# Altium PCB HIL_RIG_REV_1_2.PcbDoc (part 13 of 14) (continued)
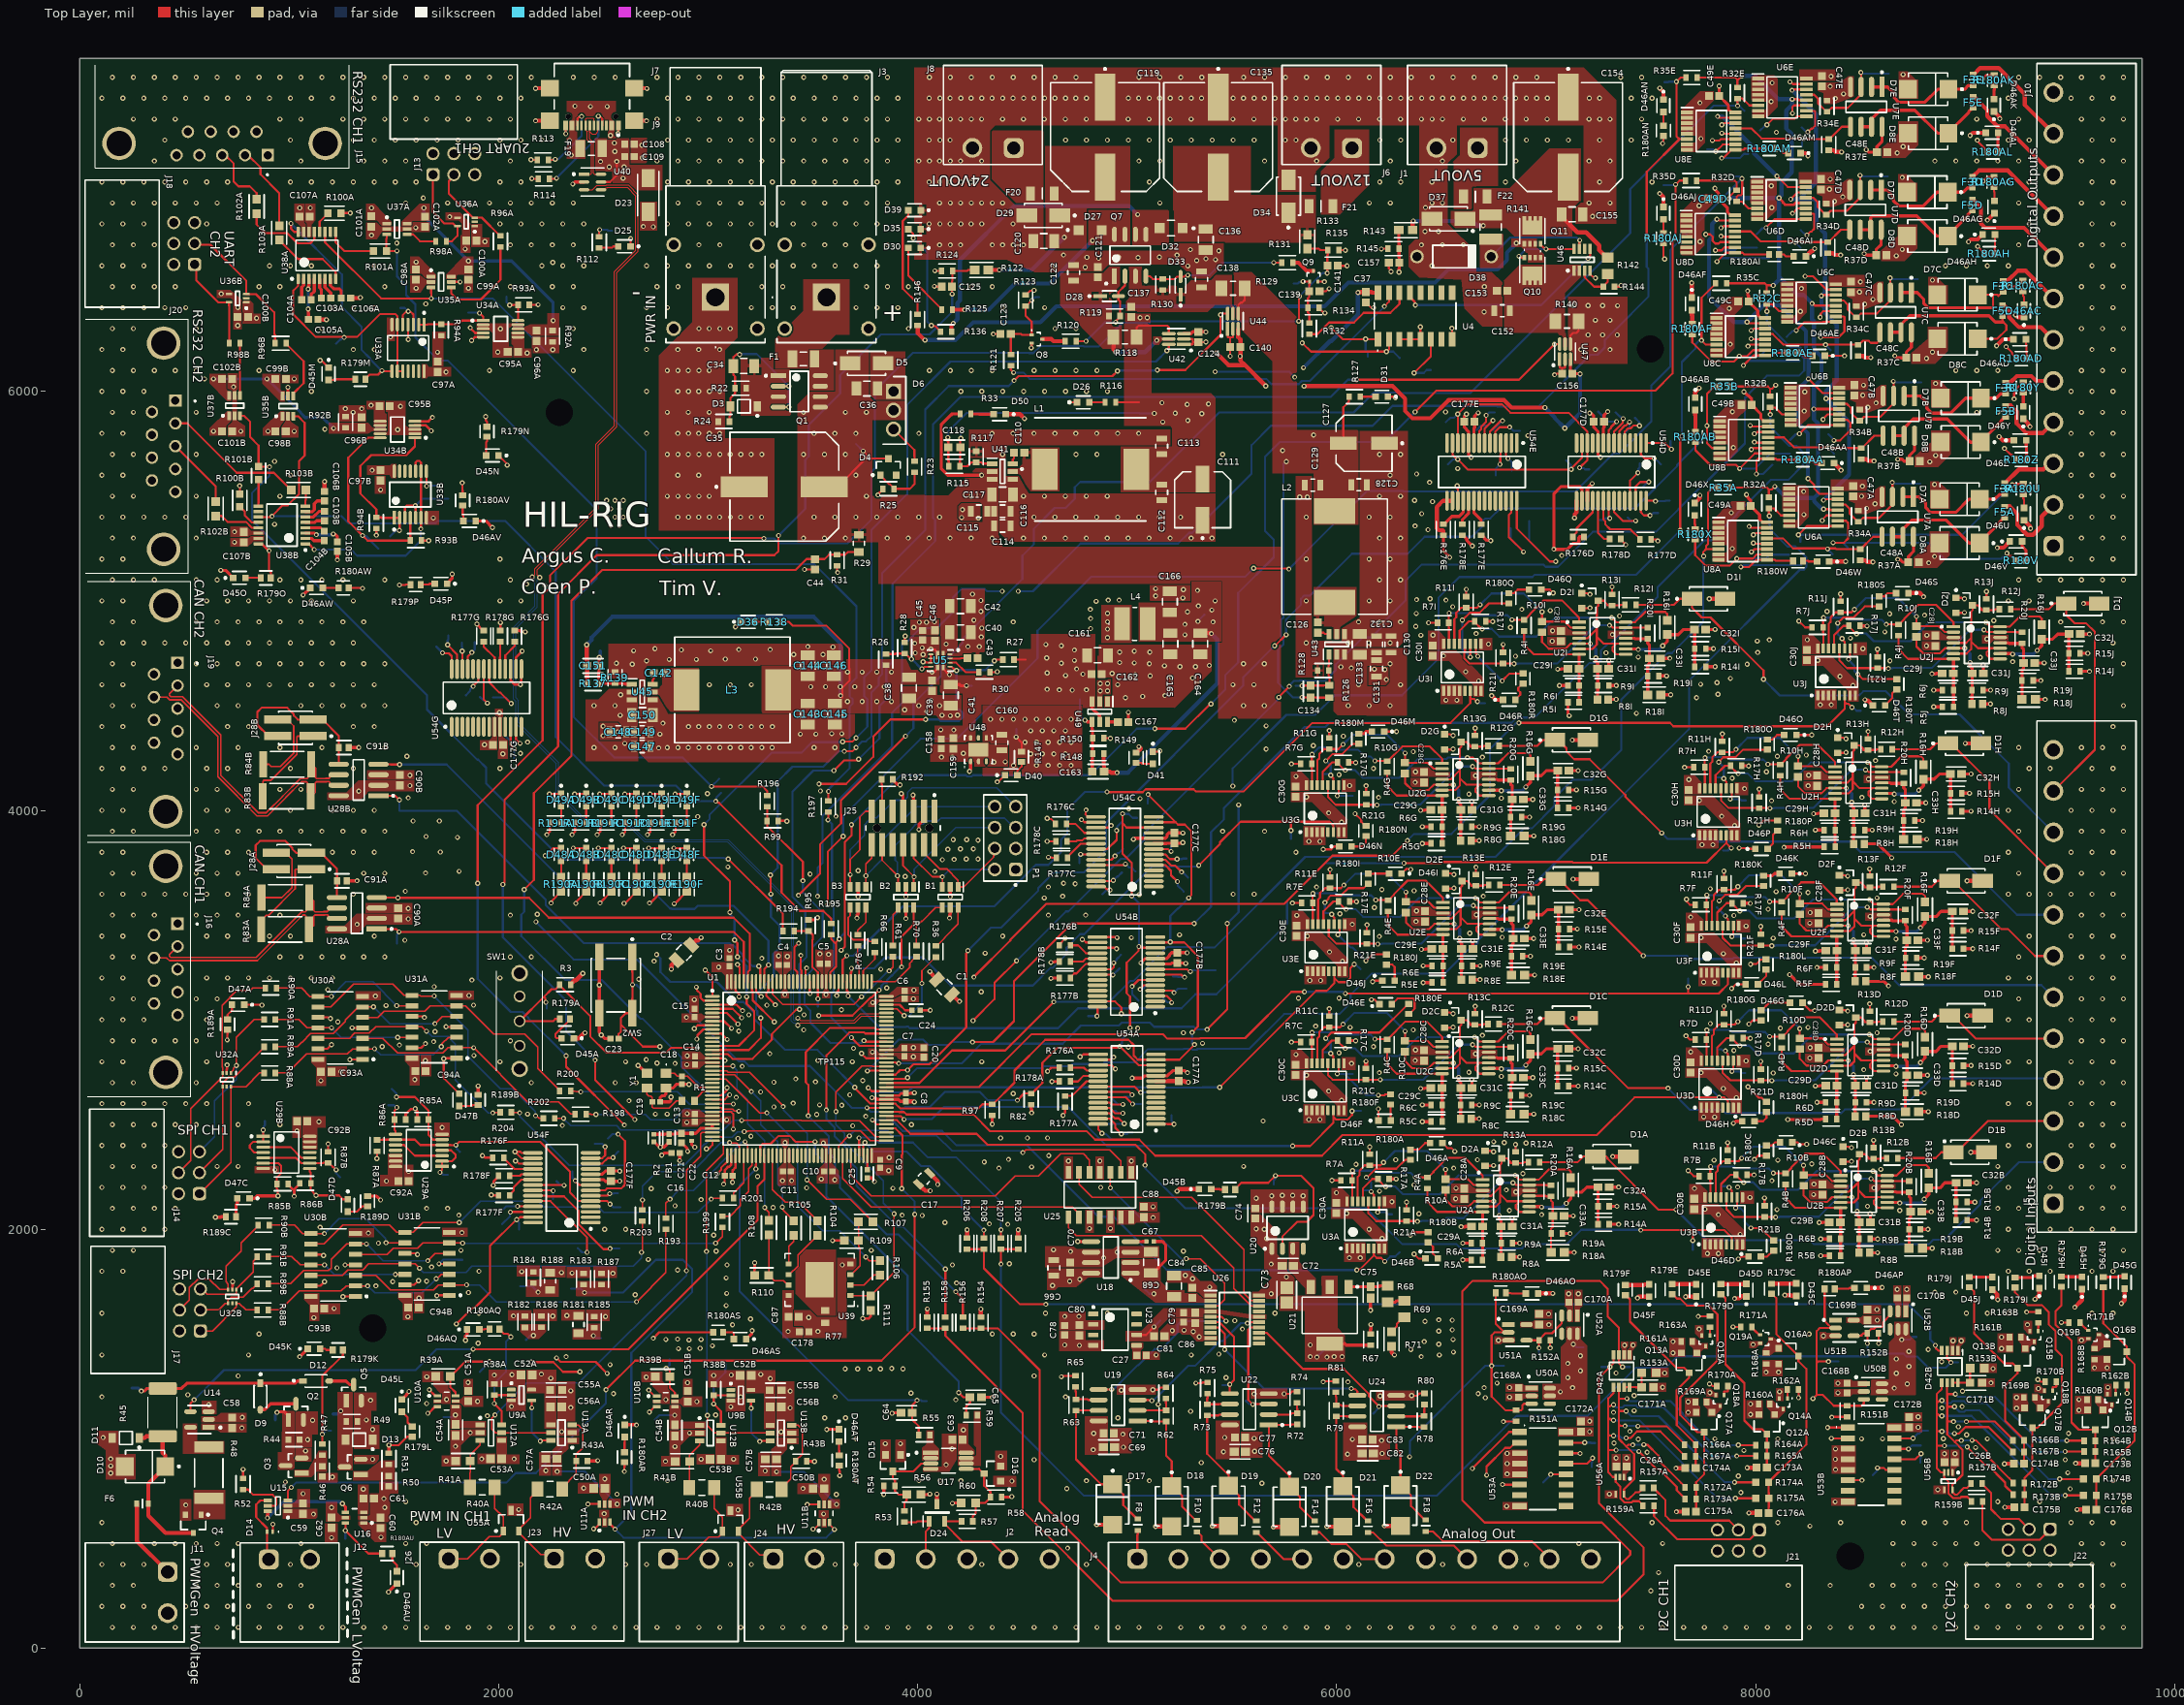
[diagram p0: Top Layer view]
## Polygon pours and split planes (outlines as drawn) (continued)
GND on Top Layer "GND_L01_P2287" (solid, pour order 3911): 8793.89,4805.79 8879.89,4805.79 8879.89,4763.79 8793.89,4763.79
5V on Top Layer "5V_L01_P2277" (solid, pour order 3901): 8795.89,4813.79 8981.89,4813.79 8981.89,4833.79 8909.89,4833.79 8885.89,4857.79 8795.89,4857.79
3V3 on Top Layer "3V3_L01_P2267" (solid, pour order 3891): 8465.89,4801.79 8529.89,4801.79 8529.89,4741.79 8465.89,4741.79
GND on Top Layer "GND_L01_P2257" (solid, pour order 3881): 8387,4485.79 8333,4485.79 8283.89,4485.79 8283.89,4578 8387,4578
3V3 on Top Layer "3V3_L01_P2237" (solid, pour order 3861): 8223.89,4745.79 8307.89,4745.79 8307.89,4801.79 8273.89,4835.79 8223.89,4835.79
GND on Top Layer "GND_L01_P2297" (solid, pour order 3919): 6764.89,4183.79 6764.89,4161.79 6694.89,4161.79 6678.89,4145.79 6640.89,4145.79 6640.89,4183.79
GND on Top Layer "GND_L01_P2287" (solid, pour order 3909): 6352.89,4153.79 6438.89,4153.79 6438.89,4111.79 6352.89,4111.79
5V on Top Layer "5V_L01_P2277" (solid, pour order 3899): 6354.89,4161.79 6540.89,4161.79 6540.89,4181.79 6468.89,4181.79 6444.89,4205.79 6354.89,4205.79
3V3 on Top Layer "3V3_L01_P2267" (solid, pour order 3889): 6024.89,4149.79 6088.89,4149.79 6088.89,4089.79 6024.89,4089.79
GND on Top Layer "GND_L01_P2257" (solid, pour order 3879): 5946,3833.79 5892,3833.79 5842.89,3833.79 5842.89,3926 5946,3926
3V3 on Top Layer "3V3_L01_P2237" (solid, pour order 3859): 5782.89,4093.79 5866.89,4093.79 5866.89,4149.79 5832.89,4183.79 5782.89,4183.79
GND on Top Layer "GND_L01_P2297" (solid, pour order 3918): 6768.89,3519.79 6768.89,3497.79 6698.89,3497.79 6682.89,3481.79 6644.89,3481.79 6644.89,3519.79
GND on Top Layer "GND_L01_P2287" (solid, pour order 3908): 6356.89,3489.79 6442.89,3489.79 6442.89,3447.79 6356.89,3447.79
5V on Top Layer "5V_L01_P2277" (solid, pour order 3898): 6358.89,3497.79 6544.89,3497.79 6544.89,3517.79 6472.89,3517.79 6448.89,3541.79 6358.89,3541.79
3V3 on Top Layer "3V3_L01_P2267" (solid, pour order 3888): 6028.89,3485.79 6092.89,3485.79 6092.89,3425.79 6028.89,3425.79
GND on Top Layer "GND_L01_P2257" (solid, pour order 3878): 5950,3169.79 5896,3169.79 5846.89,3169.79 5846.89,3262 5950,3262
GND on Top Layer "GND_L01_P2247" (solid, pour order 3866): 5922.14,3423.86 6056,3290 6054,3288 6054,3204 6000,3204 6000,3262 5886,3376 5786,3376 5786,3423.86
3V3 on Top Layer "3V3_L01_P2237" (solid, pour order 3858): 5786.89,3429.79 5870.89,3429.79 5870.89,3485.79 5836.89,3519.79 5786.89,3519.79
GND on Top Layer "GND_L01_P2297" (solid, pour order 3917): 8648.89,2867.79 8648.89,2845.79 8578.89,2845.79 8562.89,2829.79 8524.89,2829.79 8524.89,2867.79
GND on Top Layer "GND_L01_P2287" (solid, pour order 3907): 8236.89,2837.79 8322.89,2837.79 8322.89,2795.79 8236.89,2795.79
5V on Top Layer "5V_L01_P2277" (solid, pour order 3897): 8238.89,2845.79 8424.89,2845.79 8424.89,2865.79 8352.89,2865.79 8328.89,2889.79 8238.89,2889.79
3V3 on Top Layer "3V3_L01_P2267" (solid, pour order 3887): 7908.89,2833.79 7972.89,2833.79 7972.89,2773.79 7908.89,2773.79
GND on Top Layer "GND_L01_P2257" (solid, pour order 3877): 7830,2517.79 7776,2517.79 7726.89,2517.79 7726.89,2610 7830,2610
GND on Top Layer "GND_L01_P2247" (solid, pour order 3865): 7802.14,2771.86 7936,2638 7934,2636 7934,2552 7880,2552 7880,2610 7766,2724 7666,2724 7666,2771.86
3V3 on Top Layer "3V3_L01_P2237" (solid, pour order 3857): 7666.89,2777.79 7750.89,2777.79 7750.89,2833.79 7716.89,2867.79 7666.89,2867.79
GND on Top Layer "GND_L01_P2297" (solid, pour order 3916): 6764.89,2855.79 6764.89,2833.79 6694.89,2833.79 6678.89,2817.79 6640.89,2817.79 6640.89,2855.79
GND on Top Layer "GND_L01_P2287" (solid, pour order 3906): 6352.89,2825.79 6438.89,2825.79 6438.89,2783.79 6352.89,2783.79
5V on Top Layer "5V_L01_P2277" (solid, pour order 3896): 6354.89,2833.79 6540.89,2833.79 6540.89,2853.79 6468.89,2853.79 6444.89,2877.79 6354.89,2877.79
3V3 on Top Layer "3V3_L01_P2267" (solid, pour order 3886): 6024.89,2821.79 6088.89,2821.79 6088.89,2761.79 6024.89,2761.79
GND on Top Layer "GND_L01_P2257" (solid, pour order 3876): 5946,2505.79 5892,2505.79 5842.89,2505.79 5842.89,2598 5946,2598
3V3 on Top Layer "3V3_L01_P2237" (solid, pour order 3856): 5782.89,2765.79 5866.89,2765.79 5866.89,2821.79 5832.89,2855.79 5782.89,2855.79
GND on Top Layer "GND_L01_P2297" (solid, pour order 3915): 8666.89,2215.79 8666.89,2193.79 8596.89,2193.79 8580.89,2177.79 8542.89,2177.79 8542.89,2215.79
GND on Top Layer "GND_L01_P2287" (solid, pour order 3905): 8254.89,2185.79 8340.89,2185.79 8340.89,2143.79 8254.89,2143.79
5V on Top Layer "5V_L01_P2277" (solid, pour order 3895): 8256.89,2193.79 8442.89,2193.79 8442.89,2213.79 8370.89,2213.79 8346.89,2237.79 8256.89,2237.79
3V3 on Top Layer "3V3_L01_P2267" (solid, pour order 3885): 7926.89,2181.79 7990.89,2181.79 7990.89,2121.79 7926.89,2121.79
GND on Top Layer "GND_L01_P2257" (solid, pour order 3875): 7848,1865.79 7794,1865.79 7744.89,1865.79 7744.89,1958 7848,1958
3V3 on Top Layer "3V3_L01_P2237" (solid, pour order 3855): 7684.89,2125.79 7768.89,2125.79 7768.89,2181.79 7734.89,2215.79 7684.89,2215.79
3V3 on Top Layer "3V3_L01_P2237" (solid, pour order 3854): 5975.89,2105.79 6059.89,2105.79 6059.89,2161.79 6025.89,2195.79 5975.89,2195.79
GND on Top Layer "GND_L01_P2247" (solid, pour order 3864): 6111.14,2099.86 6245,1966 6243,1964 6243,1880 6189,1880 6189,1938 6075,2052 5975,2052 5975,2099.86
GND on Top Layer "GND_L01_P2257" (solid, pour order 3874): 6139,1845.79 6085,1845.79 6035.89,1845.79 6035.89,1938 6139,1938
3V3 on Top Layer "3V3_L01_P2267" (solid, pour order 3884): 6217.89,2161.79 6281.89,2161.79 6281.89,2101.79 6217.89,2101.79
5V on Top Layer "5V_L01_P2277" (solid, pour order 3894): 6547.89,2173.79 6733.89,2173.79 6733.89,2193.79 6661.89,2193.79 6637.89,2217.79 6547.89,2217.79
GND on Top Layer "GND_L01_P2287" (solid, pour order 3904): 6545.89,2165.79 6631.89,2165.79 6631.89,2123.79 6545.89,2123.79
GND on Top Layer "GND_L01_P2297" (solid, pour order 3914): 6957.89,2195.79 6957.89,2173.79 6887.89,2173.79 6871.89,2157.79 6833.89,2157.79 6833.89,2195.79
3V3 on Top Layer "3V3_L01_P1257" (solid, pour order 3930): 1105.33,2795.67 1129.33,2771.67 1129.33,2686 1175.33,2686 1175.33,2825.67 1105.33,2825.67
GND on Top Layer "GND_L01_P1258" (solid, pour order 3931): 1178.08,2777.67 1276.08,2777.67 1276.08,2727.67 1178.08,2727.67
3V3 on Top Layer "3V3_L01_P1259" (solid, pour order 3932): 1552,2802 1576,2778 1576,2688 1622,2688 1622,2832 1552,2832
GND on Top Layer "GND_L01_P1260" (solid, pour order 3933): 1627,2731.93 1627,2829.93 1677,2829.93 1677,2731.93
GND on Top Layer "GND_L01_P1261" (solid, pour order 3934): 1317.33,3135.67 1317.33,3093.67 1437.33,3093.67 1437.33,3135.67
GND on Top Layer "GND_L01_P1262" (solid, pour order 3935): 1760,3138 1760,3096 1880,3096 1880,3138
GND on Top Layer "GND_L01_P1263" (solid, pour order 3936): 1766,2442 1766,2508 1694,2508 1694,2442
3V3 on Top Layer "3V3_L01_P1267" (solid, pour order 4006): 1472,2258 1434,2258 1434,2206 1542,2206 1542,2362 1472,2362
GND on Top Layer "GND_L01_P1265" (solid, pour order 4083): 1592.24,2208 1548,2208 1548,2308 1592.24,2308
3V3 on Top Layer "3V3_L01_P2377" (solid, pour order 3991): 1372.15,4192 1596.15,4192 1596.15,4148 1372.15,4148
GND on Top Layer "GND_L01_P2379" (solid, pour order 3993): 1182.15,4084 1272.15,4084 1330.15,4142 1596.15,4142 1596.15,4092 1380.15,4092 1333.88,4045.73 1329.61,4050 1182.15,4050
GND on Top Layer "GND_L01_P1132" (solid, pour order 3835): 1504,6242 1466,6242 1466,6352 1504,6352
GND on Top Layer "GND_L01_P1122" (solid, pour order 3825): 2048.5,6213 2048.5,6301 2062.5,6311 2122.5,6311 2122.5,6325 1894.5,6325 1894.5,6291 1957.5,6291 1970.5,6278 1970.5,6163 2070.5,6163 2070.5,6213
5V on Top Layer "5V_L01_P1120" (solid, pour order 3823): 2122.5,6204 2156.5,6204 2156.5,6163 2070.5,6163 2070.5,6218 2060.5,6228 2060.5,6285.44 2122.5,6285.44
TTL_VCCBA on Top Layer "TTL_VCCBA_L01_P1124" (solid, pour order 3827): 2232,6319 2232,6372 2288,6372 2288,6370 2288,6266.06 2157.02,6266.06 2124.13,6291 2068.44,6291 2068.44,6307.01 2120.22,6307.01 2150.5,6319
GND on Top Layer "GND_L01_P1126" (solid, pour order 3829): 2158.5,6263 2158.96,6262.54 2158.96,6183.23 2288.27,6183.23 2288.5,6183 2288.5,6263
3V3 on Top Layer "3V3_L01_P1128" (solid, pour order 3831): 1632.5,6131 1632.5,6063 1656.5,6063 1664.5,6071 1772.5,6071 1772.5,6115 1666.5,6115 1656.5,6131
GND on Top Layer "GND_L01_P1130" (solid, pour order 3833): 1684.5,6205 1684.5,6286 1748,6286 1748,6250 1734.5,6250 1734.5,6121 1684.5,6121
3V3 on Top Layer "3V3_L01_P1133" (solid, pour order 3836): 1078.22,6736 1078.22,6798.28 1070.5,6806 1070.5,6896 1026,6896 1026,6815.5 1055.5,6786 1055.5,6736
GND on Top Layer "GND_L01_P1134" (solid, pour order 3837): 1084.72,6736 1105.5,6736 1105.5,6796 1125.5,6816 1125.5,6896 1076,6896 1076,6810.09 1084.91,6801.18
GND on Top Layer "GND_L01_P1135" (solid, pour order 3838): 1417.5,6726 1367.5,6726 1367.5,6806 1417.5,6806 1437.5,6786 1583.78,6786 1583.78,6808 1670,6808 1670,6761 1587.35,6761 1582.27,6766.08 1542.54,6766.08 1540.8,6764.34 1444.34,6764.34 1441,6761
3V3 on Top Layer "3V3_L01_P1136" (solid, pour order 3839): 1407.5,6896 1487.5,6811 1487.5,6791 1442.5,6791 1417.5,6816 1368,6816 1368,6896
TTL_VCCBA on Top Layer "TTL_VCCBA_L01_P1137" (solid, pour order 3840): 1622.5,6896 1537.5,6811 1537.5,6791 1587.5,6791 1587.5,6804.37 1594.13,6811 1594.23,6810.91 1670,6810.91 1670,6896
5V on Top Layer "5V_L01_P1138" (solid, pour order 3841): 1919.5,6798.21 1869.8,6798.21 1869.8,6690 1954.5,6690 1954.5,6735 1919.5,6735
GND on Top Layer "GND_L01_P1139" (solid, pour order 3842): 1808.5,6816 1824.5,6800 1824.5,6745 1819.5,6745 1819.5,6662 1864,6662 1864,6801.82 1816.17,6854 1746,6854 1746,6816
GND on Top Layer "GND_L01_P1140" (solid, pour order 3843): 1699.14,6532.66 1699.14,6511 1653.86,6511 1650.53,6507.66 1627.02,6472.66 1577.02,6472.66 1577.02,6552.66 1627.02,6552.66 1653.86,6532.66
TTL_VCCBA on Top Layer "TTL_VCCBA_L01_P1141" (solid, pour order 3844): 1833.41,6643.32 1748.41,6558.32 1748.41,6538.32 1798.41,6538.32 1798.41,6551.69 1805.05,6558.32 1805.14,6558.23 1878.12,6558.23 1878.12,6643.32
GND on Top Layer "GND_L01_P1142" (solid, pour order 3845): 1875.53,6472.66 1875.53,6552.66 1835.53,6552.66 1835.53,6472.66
3V3 on Top Layer "3V3_L01_P1143" (solid, pour order 3846): 1620.53,6642.66 1700.53,6557.66 1700.53,6537.66 1655.53,6537.66 1630.53,6562.66 1578,6562.66 1578,6642.66
5V on Top Layer "5V_L01_P1108" (solid, pour order 3811): 814.01,6433.21 829,6418.23 829,6370 864,6370 864,6325 778,6325 778,6433.21
GND on Top Layer "GND_L01_P1109" (solid, pour order 3812): 789,5835 789,5785 709,5785 709,5835 729,5855 729,6005 706,6011.44 706,6085 754,6085 754,6011.73 748,6004 748.92,5960.04 750.66,5958.3 750.66,5861.84 754,5858.5
3V3 on Top Layer "3V3_L01_P1110" (solid, pour order 3813): 619,5825 704,5905 724,5905 724,5860 699,5835 699,5790 619,5790
TTL_VCCBB on Top Layer "TTL_VCCBB_L01_P1111" (solid, pour order 3814): 619,6040 704,5955 724,5955 724,6005 710.63,6005 704,6011.63 704.09,6011.73 704.09,6084.7 619,6084.7
GND on Top Layer "GND_L01_P1112" (solid, pour order 3815): 984,5903.61 1005.66,5903.61 1005.66,5858.34 1009,5855 1044,5831.5 1044,5781.5 964,5781.5 964,5831.5 984,5858.34
TTL_VCCBB on Top Layer "TTL_VCCBB_L01_P1113" (solid, pour order 3816): 873.34,6037.89 958.34,5952.89 978.34,5952.89 978.34,6002.89 964.97,6002.89 958.34,6009.52 958.43,6009.62 958.43,6082.59 873.34,6082.59
GND on Top Layer "GND_L01_P1114" (solid, pour order 3817): 1044,6080 964,6080 964,6040 1044,6040
3V3 on Top Layer "3V3_L01_P1115" (solid, pour order 3818): 874,5825 959,5905 979,5905 979,5860 954,5828 954,5790 874,5790
GND on Top Layer "GND_L01_P1116" (solid, pour order 3819): 718.71,6448 734,6435 734,6380 734,6296 772,6296 772,6438 718.67,6484 656,6484 656,6448
3V3 on Top Layer "3V3_L01_P1117" (solid, pour order 3820): 879,5307.72 816.72,5307.72 806.18,5300.03 719,5300.03 719,5260 804,5260 829,5285 879,5285
GND on Top Layer "GND_L01_P1118" (solid, pour order 3821): 879,5314 879,5335 819,5335 799,5355 719,5355 719,5304 802.71,5304 812,5314
5V on Top Layer "5V_L01_P1119" (solid, pour order 3822): 1404,5914 1370,5914 1370,5954 1456,5954 1456,5899 1464,5891 1464,5826 1404,5826
GND on Top Layer "GND_L01_P1121" (solid, pour order 3824): 1472,5904 1472,5806 1404,5806 1404,5792 1632,5792 1632,5826 1569,5826 1556,5839 1556,5954 1456,5954 1456,5904
TTL_VCCBB on Top Layer "TTL_VCCBB_L01_P1123" (solid, pour order 3826): 1398,5826 1464,5826 1464,5809.94 1398,5809.94 1376,5798 1190,5798 1190,5850.94 1377.11,5850.94
GND on Top Layer "GND_L01_P1125" (solid, pour order 3828): 1368,5854 1367.54,5854.46 1367.54,5933.77 1238.23,5933.77 1238,5934 1238,5854
3V3 on Top Layer "3V3_L01_P1127" (solid, pour order 3830): 1512,5586 1512,5654 1488,5654 1480,5646 1372,5646 1372,5602 1478,5602 1488,5586
GND on Top Layer "GND_L01_P1129" (solid, pour order 3832): 1460,5596 1460,5512 1410,5512 1410,5596
GND on Top Layer "GND_L01_P1131" (solid, pour order 3834): 1644,5430 1714,5430 1714,5364 1644,5364
5V_OUT_shunted on Top Layer "NONET_L01_P2839" (solid, pour order 4111): 7054,6280 7074,6260 7074,6212 7106,6212 7108,6210 7108,6278 7092,6278 7086,6284
12V_OUT_Shunted on Top Layer "12V_OUT_SHUNTED_L01_P2838" (solid, pour order 4110): 5512,6352 5512,6420 5500,6432 5496,6432 5496,6352
GND on Top Layer "GND_L01_P2840" (solid, pour order 4112): 4990,6376 4990,6330 5114,6330 5112,6332 5112,6378 4994,6378 4992,6376
GND on Top Layer "GND_L01_P2842" (solid, pour order 4114): 5110,5078 5298,5078 5308,5068 5308,5000 5112,5000 5108,5004 5108,5082
GND on Top Layer "GND_L01_P2843" (solid, pour order 4115): 4191.6,5467.78 4191.6,5380.66 4297.34,5380.66 4298.34,5379.66 4298.34,5468.29 4191.35,5468.29 4190.84,5467.78
GND on Top Layer "GND_L01_P2844" (solid, pour order 4116): 2476,4424 2476,4332 2588,4332 2588,4420 2480,4420
GND on Top Layer "GND_L01_P2841" (solid, pour order 4113): 6148,4690 6148,4592 6236,4592 6254,4610 6254,4690
VIN on Top Layer "VIN_L01_P2831" (solid, pour order 4104): 4005,5505 4006,5504 4146,5504 4225,5583 4225,5472 4206,5472 4188,5454 4188,5394 4206,5376 4310,5376 4310,5278 4005,5278
VIN on Top Layer "VIN_L01_P2832" (solid, pour order 4105): 6144,4592 6236,4592 6254,4610 6254,4690 6334,4690 6334,4452 6144,4452
VIN on Top Layer "VIN_L01_P2833" (solid, pour order 4106): 2476,4530 2416,4530 2416,4234 2664,4234 2665,4233 2665,4275 2590,4275 2590,4330 2478,4330 2476,4332
VREF_LV_5V on Top Layer "VREF_LV_5V_L01_P2390" (solid, pour order 4004): 2104,1512 2139.53,1476.47 2165,1476.47 2191,1476.47 2226,1511.47 2226,1546.47 2104,1546.47
VREF_LV_3V3 on Top Layer "VREF_LV_3V3_L01_P2391" (solid, pour order 4005): 2418,1549.21 2418,1526 2352,1526 2352,1474 2484,1474 2484,1549.21
3V3 on Top Layer "3V3_L01_P1070" (solid, pour order 3774): 2134,1329 2134,1219 2219,1219 2219,1049 2274,1049 2274,1124 2274,1329
GND on Top Layer "GND_L01_P1072" (solid, pour order 3776): 2384,1014 2384,1049 2364,1049 2364,1274 2274,1274 2274,1014
GND on Top Layer "GND_L01_P1074" (solid, pour order 3778): 1769,1044 1769,919 1729,919 1729,869 1819,869 1819,969 1864,1014 1939,1014 1939,1044
3V3 on Top Layer "3V3_L01_P1076" (solid, pour order 3780): 1989,1009 2039,1009 2039,924 2099,924 2099,879 1989,879
GND on Top Layer "GND_L01_P1078" (solid, pour order 3782): 1984,929 1899,929 1899,879 1984,879
3V3 on Top Layer "3V3_L01_P1080" (solid, pour order 3784): 1776.16,1189 1819,1189 1834,1204 1924,1204 1924,1154 1834,1154 1819,1169 1776.16,1169
GND on Top Layer "GND_L01_P1082" (solid, pour order 3786): 1735,1278 1735,1322 1635,1322 1635,1272 1688,1272 1688,1252.1 1731.1,1209 1731.1,1190 1727,1188 1689,1188 1689,1170 1727,1170 1731.1,1168 1768.96,1168 1768.96,1244.04
GND on Top Layer "GND_L01_P1084" (solid, pour order 3788): 1833,1286 1877,1286 1877,1206 1833.98,1206
3V3 on Top Layer "NONET_L01_P314" (solid, pour order 3790): 2479.52,738.52 2497.52,708.52 2497.52,668.52 2515.52,668.52 2515.52,708.52 2533.52,736.52 2519.52,724.52 2533.52,736.52 2533.52,832.52 2479.52,832.52 2479.52,738.52 2493.52,724.52
VREF_HVA on Top Layer "VREF_HVB_L01_P1088" (solid, pour order 3792): 2383,1006 2383,976 2332,976 2332,953 2301,922 2301,824 2255,824 2255,944 2277,966 2277,1006
VREF_HVA on Top Layer "VREF_HVB_L01_P1090" (solid, pour order 3794): 2523.52,712.52 2523.52,668.52 2581.52,668.52 2581.52,712.52
GND on Top Layer "GND_L01_P1092" (solid, pour order 3796): 1953,1248 1953,1328 2129,1328 2129,1132 2037,1132 2037,1194 2085,1194 2085,1248
GND on Top Layer "GND_L01_P1094" (solid, pour order 3798): 2494.8,578.52 2494.8,625.62 2481.52,625.62 2481.52,660.52 2526.52,660.52 2526.52,625.62 2518.24,625.62 2518.24,578.52
GND on Top Layer "GND_L01_P1096" (solid, pour order 3800): 2040,690 2117,690 2117,632 2040,632
GND on Top Layer "GND_L01_P1098" (solid, pour order 3802): 2477.52,789.68 2477.52,738.52 2379.52,738.52 2379.52,790
GND on Top Layer "GND_L01_P1100" (solid, pour order 3804): 1833,1286 1877,1286 1877,1206 1833.98,1206
VREF_HVA on Top Layer "VREF_HVB_L01_P1102" (solid, pour order 3806): 2523.52,712.52 2523.52,668.52 2581.52,668.52 2581.52,712.52
VREF_LVA on Top Layer "VREF_LVB_L01_P1104" (solid, pour order 3808): 1821,1161.84 1821,1084 1939,1084 1939,1048 1769,1048 1769,1161.84
GND on Top Layer "GND_L01_P1106" (solid, pour order 3810): 2193,936 2251,936 2251,824 2193,824
GND on Top Layer "GND_L01_P000" (solid, pour order 3704): 4340.47,4315 4340.47,4322 4240.47,4322 4240.47,4315 4060,4315 4060,4232 4270.47,4232 4270.47,4210 4430.47,4210 4430.47,4255.09 4430.47,4315
5V on Top Layer "5V_L01_P002" (solid, pour order 3706): 4275.97,4330 4274.45,4330 4230.97,4330 4230.97,4325 4080.97,4325 4080.97,4405 4275.97,4405
3V3_SW on Top Layer "3V3_SW_L01_P004" (solid, pour order 3708): 4881.48,4555.4 4921.48,4555.4 4921.48,4625.4 4856.48,4625.4 4856.48,4490.4 4881.48,4490.4
3V3_SW on Top Layer "3V3_SW_L01_P006" (solid, pour order 3709): 5021.48,4980.4 4876.48,4980.4 4876.48,4800.4 5021.48,4800.4
GND on Top Layer "GND_L01_P012" (solid, pour order 3711): 5403.69,4666.19 5227.9,4490.4 5223.69,4491.19 4886.48,4491.19 4886.48,4549.6 4888.67,4551.79 4924.29,4551.79 4924.29,4630.4 4858.69,4630.4 4858.69,4736.19 4866.48,4736.19 4866.48,4790.4 5403.69,4790.4
GND on Top Layer "GND_L01_P014" (solid, pour order 3713): 4420,5733 4430,5743 5205,5743 5205,5818 4245,5818 4245,5683 4390,5683 4390,5328 4435,5283 5420,5283 5420,5513 4530,5513 4515,5538 4480,5598 4420,5598
24V_SW on Top Layer "24V_SW_L01_P015" (solid, pour order 3714): 4480,5633 4500,5653 4500,5733 4675,5733 4675,5523 4540,5523 4525,5543 4485,5603 4425,5603 4425,5633
VIN on Top Layer "VIN_L01_P017" (solid, pour order 3716): 4385,5633 4275,5633 4225,5583 4225,5472 4296,5472 4310,5458 4310,5278 4385,5278
V_TERMINAL on Top Layer "V_TERMINAL_L01_P018" (solid, pour order 3717): 3480,6110 3320,6110 3320,6250 3455,6385 3455,6535 3675,6535 3675,6270 3610,6270 3545,6205 3480,6205
VIN_RAW on Top Layer "VIN_RAW_L01_P019" (solid, pour order 3718): 3485,6200 3485,6005 3600,6005 3600,6200
GND on Top Layer "GND_L01_P021" (solid, pour order 3720): 3940,5960 3940,6190 3770,6190 3770,5986 3796,5960
VIN_Polarity_Source on Top Layer "VIN_POLARITY_SOURCE_L01_P022" (solid, pour order 3721): 3390,6105 3310,6105 3310,6160 3155,6160 3155,5885 3395,5885
GND on Top Layer "GND_L01_P023" (solid, pour order 3722): 2925,6331.64 2765,6171.64 2765,5336.64 3315,5336.64 3315,5776.64 3080,5776.64 3080,6196.64 3140,6256.64 3140,6541.64 2925,6541.64
VBUS on Top Layer "VBUS_L01_P025" (solid, pour order 3724): 4078.22,4717.5 3964,4717.5 3964,4830.25 4104.33,4830.25 4104.33,4717.5
GND on Top Layer "GND_L01_P027" (solid, pour order 3726): 4137.93,4700 4140.24,4780.25 4183.22,4780.25 4208.22,4805.25 4208.22,5056 4320,5056 4320,4700
GND on Top Layer "GND_L01_P028" (solid, pour order 3727): 4208.22,4550.25 4208.22,4432 4108,4432 4086,4454 3908.22,4454 3908.22,4490.25 3908.22,4590.25 4093.22,4590.25 4093.22,4550.25
GND on Top Layer "GND_L01_P029" (solid, pour order 3728): 3966,4835.25 3966,4914 4108.22,4914 4108.22,4835.25
GND on Top Layer "GND_L01_P030" (solid, pour order 3729): 5890.47,4810 5880.47,4820 5880.47,5595 5805.47,5595 5805.47,4635 5940.47,4635 5940.47,4780 6295.47,4780 6340.47,4825 6340.47,5810 6110.47,5810 6110.47,4920 6085.47,4905 6025.47,4870 6025.47,4810
12V_SW on Top Layer "12V_SW_L01_P031" (solid, pour order 3730): 5985.47,4870 5977.47,4878 5885.47,4878 5885.47,5065 6095.47,5065 6095.47,4930 6075.47,4915 6015.47,4875 6015.47,4815 5985.47,4815
VIN on Top Layer "VIN_L01_P033" (solid, pour order 3731): 5985.47,4775 5985.47,4472.53 6004,4454 6146,4454 6146,4690 6334,4690 6334,4775
5V_SW on Top Layer "5V_SW_L01_P035" (solid, pour order 3733): 2760,4580 2780,4600 2780,4680 2955,4680 2955,4470 2820,4470 2805,4490 2765,4550 2705,4550 2705,4580
VIN on Top Layer "VIN_L01_P037" (solid, pour order 3734): 2665,4580 2526,4580 2476,4530 2476,4424 2571,4424 2590,4405 2590,4264 2665,4264
24V_OUT_Drain on Top Layer "NONET_L01_P039" (solid, pour order 3736): 5015,6700 4815,6700 4815,6865 5015,6865
24V_OUT_Rectified on Top Layer "24V_OUT_RECTIFIED_L01_P041" (solid, pour order 3738): 4805,6678 4620,6678 4610,6688 4610,7170 5015,7170 5015,6875 4815,6875 4805,6865
24V_OUT on Top Layer "24V_OUT_L01_P042" (solid, pour order 3739): 4600,6897.8 4597.8,6900 4465,6900 4350,7007.8 4350,7245 4595,7245 4600,7240
12V_OUT_Shunted on Top Layer "12V_OUT_SHUNTED_L01_P045" (solid, pour order 3740): 5500,6415 5420,6415 5385,6380 5375,6380 4995,6380 4995,6430 5010,6445 5010,6600 5070,6600 5070,6505 5280,6505 5310,6535 5395,6535 5415,6555 5500,6555
12V_OUT_Drain on Top Layer "12V_OUT_DRAIN_L01_P046" (solid, pour order 3741): 5020,6700 5020,6865 5195,6865 5200,6860 5200,6700
12V_OUT_Rectified on Top Layer "12V_OUT_RECTIFIED_L01_P047" (solid, pour order 3742): 5220,6865 5225,6860 5225,6710 5900,6710 5900,6725 5900,6938 5590,6938 5590,7170 5220,7170
12V_OUT on Top Layer "12V_OUT_L01_P048" (solid, pour order 3743): 5925,7050 5990,7115 5990,7250 6155,7250 6155,6985 6015,6845 5925,6845
5V_OUT_shunted on Top Layer "5V_OUT_SHUNTED_L01_P049" (solid, pour order 3744): 7170,6605 7170,6550 7090,6470 7090,6280 6830,6280 6795,6315 6795,6525 6875,6605
5V_OUT_common_source on Top Layer "5V_OUT_COMMON_SOURCE_L01_P050" (solid, pour order 3745): 6880,6690 6834,6690 6834,6730 6960,6730 6960,6685 6990,6655 6990,6615 6910,6615 6910,6660
5V_OUT_Clamped on Top Layer "5V_OUT_CLAMPED_L01_P051" (solid, pour order 3746): 6685,6750 6685,6590 6795,6590 6795,6750
5V_OUT_unfused on Top Layer "5V_OUT_UNFUSED_L01_P052" (solid, pour order 3747): 6655,6867.5 6647.5,6860 6546,6860 6546,6800 6566,6780 6810,6780 6850,6740 7125,6740 7125,6870 7165,6910 7165,7160 7015,7160 6825,6970 6655,6970
5V_OUT on Top Layer "5V_OUT_L01_P053" (solid, pour order 3748): 6590,7125 6585,7125 6555,7095 6560,7090 6560,6870 6640,6870 6645,6875 6645,6960 6667,6982 6770,6982 6770,6995 6770,7260 6590,7260
VDD_REGULATED on Top Layer "VDD_REGULATED_L01_P2447" (solid, pour order 4092): 3821.63,888.68 3869.63,888.68 3871.63,890.68 3871.63,996.68 3823.63,996.68 3821.63,994.68
GND on Top Layer "GND_L01_P2445" (solid, pour order 4089): 952,2268 952,2300 836,2300 836,2268
VREF_HV_12V on Top Layer "VREF_HV_12V_L01_P2389" (solid, pour order 4003): 2370,1751.28 2534,1751.28 2534,1681.28 2372,1681.28 2370,1679.28
V_REF_HV_24V on Top Layer "V_REF_HV_24V_L01_P2388" (solid, pour order 4002): 2130,1759.28 2286,1759.28 2286,1679.28 2284,1677.28 2130,1677.28
GND on Top Layer "GND_L01_P2387" (solid, pour order 4001): 2166.17,1617.42 2276.17,1617.42 2276.17,1563.42 2166.17,1563.42
GND on Top Layer "GND_L01_P2386" (solid, pour order 4000): 2418,1615.59 2528,1615.59 2528,1561.59 2418,1561.59
GND on Top Layer "GND_L01_P2385" (solid, pour order 3999): 2453,1822.23 2563,1822.23 2563,1768.23 2453,1768.23
GND on Top Layer "GND_L01_P2384" (solid, pour order 3998): 2208,1825.28 2318,1825.28 2318,1771.28 2208,1771.28
VDD_REGULATED on Top Layer "VDD_REGULATED_L01_P2383" (solid, pour order 3997): 2301,1616 2411,1616 2411,1566 2301,1566
VDD_REGULATED on Top Layer "VDD_REGULATED_L01_P2382" (solid, pour order 3996): 2046,1614.28 2156,1614.28 2156,1564.28 2046,1564.28
VDD_REGULATED on Top Layer "VDD_REGULATED_L01_P2381" (solid, pour order 3995): 2086,1826 2196,1826 2196,1776 2086,1776
VDD_REGULATED on Top Layer "VDD_REGULATED_L01_P2380" (solid, pour order 3994): 2326,1819.28 2436,1819.28 2436,1769.28 2326,1769.28
GND on Top Layer "GND_L01_P2378" (solid, pour order 3992): 1174.15,3448 1264.15,3448 1322.15,3506 1588.15,3506 1588.15,3456 1372.15,3456 1325.88,3409.73 1321.61,3414 1174.15,3414
3V3 on Top Layer "3V3_L01_P2376" (solid, pour order 3990): 1364.15,3556 1588.15,3556 1588.15,3512 1364.15,3512
GND on Top Layer "GND_L01_P2324" (solid, pour order 3942): 3893.68,888.68 3941.68,888.68 3943.68,890.68 3943.68,996.68 3895.68,996.68 3893.68,994.68
GND on Top Layer "GND_L01_P2323" (solid, pour order 3941): 4362,822 4362,774 4364,772 4470,772 4470,820 4468,822
VDD_REGULATED on Top Layer "VDD_REGULATED_L01_P2322" (solid, pour order 3940): 4370,850 4426,850 4426,942 4370,942
GND on Top Layer "GND_L01_P2321" (solid, pour order 3939): 4026,866 4026,842 4152,842 4186,902 4186,1024 4116,1024 4116,866
VDD_REGULATED on Top Layer "VDD_REGULATED_L01_P2320" (solid, pour order 3938): 4192,1072 4242,1072 4242,974 4272,944 4272,924 4192,924
5V_REGULATED on Top Layer "5V_REGULATED_L01_P024" (solid, pour order 3723): 3660,4690 3255,4690 3255,4470 3260,4465 3916,4465 3916,4600.25 4104.79,4600.25 4104.79,4713 4078.22,4713 4078.22,4670.25 3967.44,4670.25 3945.22,4720.25 3660,4720.25
GND on Top Layer "GND_L01_P1254" (solid, pour order 3927): 1593,1600.26 1593,1698.26 1643,1698.26 1643,1600.26
GND on Top Layer "GND_L01_P1265" (solid, pour order 4086): 1015.15,2538 1059.39,2538 1059.39,2438 1015.15,2438
3V3 on Top Layer "3V3_L01_P1251" (solid, pour order 3924): 1072,1664 1096,1640 1096,1562 1142,1562 1142,1694 1072,1694
GND on Top Layer "GND_L01_P1252" (solid, pour order 3925): 1144.75,1646 1242.75,1646 1242.75,1596 1144.75,1596
3V3 on Top Layer "3V3_L01_P1253" (solid, pour order 3926): 1520.35,1669 1544.35,1645 1544.35,1567 1590.35,1567 1590.35,1699 1520.35,1699
GND on Top Layer "GND_L01_P1255" (solid, pour order 3928): 1284,2004 1284,1962 1404,1962 1404,2004
GND on Top Layer "GND_L01_P1256" (solid, pour order 3929): 1730.36,2006.6 1730.36,1964.6 1850.36,1964.6 1850.36,2006.6
3V3 on Top Layer "3V3_L01_P1267" (solid, pour order 3937): 1134,2486 1172,2486 1172,2538 1064,2538 1064,2382 1134,2382
3V3 on Top Layer "3V3_L01_P1070" (solid, pour order 3773): 3181.26,1327.52 3181.26,1217.52 3266.26,1217.52 3266.26,1047.52 3321.26,1047.52 3321.26,1122.52 3321.26,1327.52
GND on Top Layer "GND_L01_P1072" (solid, pour order 3775): 3431.26,1012.52 3431.26,1047.52 3411.26,1047.52 3411.26,1272.52 3321.26,1272.52 3321.26,1012.52
GND on Top Layer "GND_L01_P1074" (solid, pour order 3777): 2816.26,1042.52 2816.26,917.52 2776.26,917.52 2776.26,867.52 2866.26,867.52 2866.26,967.52 2911.26,1012.52 2986.26,1012.52 2986.26,1042.52
3V3 on Top Layer "3V3_L01_P1076" (solid, pour order 3779): 3036.26,1007.52 3086.26,1007.52 3086.26,922.52 3146.26,922.52 3146.26,877.52 3036.26,877.52
GND on Top Layer "GND_L01_P1078" (solid, pour order 3781): 3031.26,927.52 2946.26,927.52 2946.26,877.52 3031.26,877.52
3V3 on Top Layer "3V3_L01_P1080" (solid, pour order 3783): 2823.42,1187.52 2866.26,1187.52 2881.26,1202.52 2971.26,1202.52 2971.26,1152.52 2881.26,1152.52 2866.26,1167.52 2823.42,1167.52
GND on Top Layer "GND_L01_P1082" (solid, pour order 3785): 2782.26,1276.52 2782.26,1320.52 2682.26,1320.52 2682.26,1270.52 2735.26,1270.52 2735.26,1250.62 2778.36,1207.52 2778.36,1188.52 2774.26,1186.52 2736.26,1186.52 2736.26,1168.52 2774.26,1168.52 2778.36,1166.52 2816.22,1166.52 2816.22,1242.56
GND on Top Layer "GND_L01_P1084" (solid, pour order 3787): 2880.26,1284.52 2924.26,1284.52 2924.26,1204.52 2881.24,1204.52
3V3 on Top Layer "NONET_L01_P314" (solid, pour order 3789): 3526.78,737.04 3544.78,707.04 3544.78,667.04 3562.78,667.04 3562.78,707.04 3580.78,735.04 3566.78,723.04 3580.78,735.04 3580.78,831.04 3526.78,831.04 3526.78,737.04 3540.78,723.04
VREF_HVB on Top Layer "VREF_HVB_L01_P1088" (solid, pour order 3791): 3430.26,1004.52 3430.26,974.52 3376.26,974.52 3376.26,948.52 3348.26,920.52 3348.26,822.52 3302.26,822.52 3302.26,948.52 3318.26,964.52 3324.26,964.52 3324.26,1004.52
VREF_HVB on Top Layer "VREF_HVB_L01_P1090" (solid, pour order 3793): 3570.78,711.04 3570.78,667.04 3628.78,667.04 3628.78,711.04
GND on Top Layer "GND_L01_P1092" (solid, pour order 3795): 3000.26,1246.52 3000.26,1326.52 3176.26,1326.52 3176.26,1130.52 3084.26,1130.52 3084.26,1192.52 3132.26,1192.52 3132.26,1246.52
GND on Top Layer "GND_L01_P1094" (solid, pour order 3797): 3542.07,577.04 3542.07,624.14 3528.78,624.14 3528.78,659.04 3573.78,659.04 3573.78,624.14 3565.5,624.14 3565.5,577.04